# Altium PCB Brushed_PCB.PcbDoc (part 1 of 2) (continued)
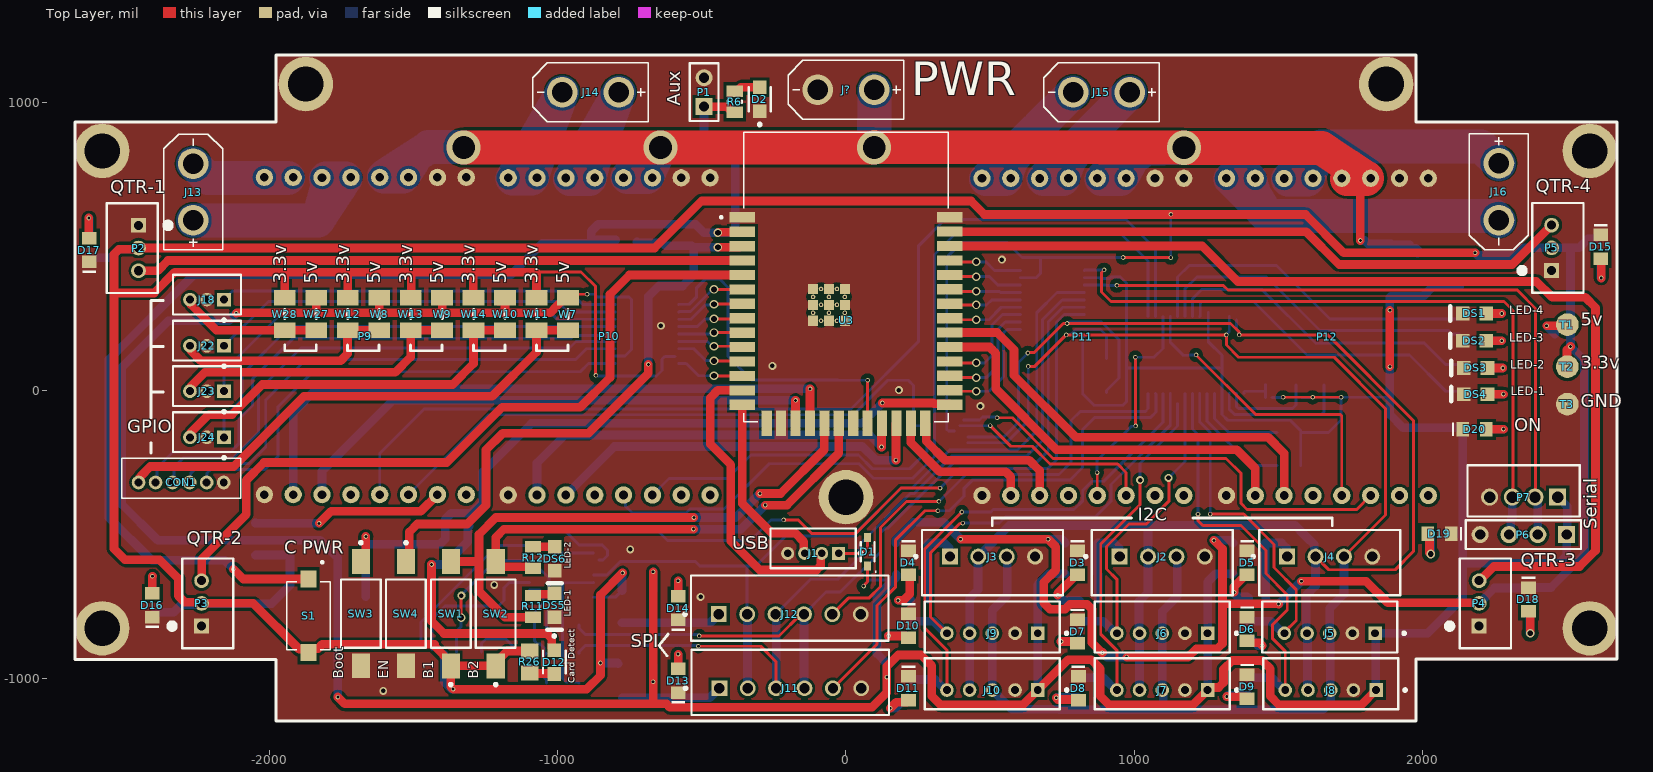
[diagram p0: Top Layer view]
## Footprints (in the part's own frame and the unit in brackets; to place one, negate y for a bottom-side part, rotate by r counter-clockwise, add the part's x,y. Pads: shape width x height; smd on the part's side, far side on the other; paste and mask are expansions set on the pad) (continued)
HDR1X2 [mm] "Connector; Header; 2 Position"
  rect 1.5x1.5 hole 0.9: 1(0,0)
  round 1.5 hole 0.9: 2(2.54,0)
  silkscreen extent -1.27,-1.27 3.81,1.27
HDR1X4 [mm] "Connector; Header; 4 Position"
  rect 1.5x1.5 hole 0.9: 1(0,0)
  round 1.5 hole 0.9: 2(2.54,0) 3(5.08,0) 4(7.62,0)
  silkscreen extent -1.27,-1.27 8.89,1.27
INF-SOD323_V [mm] "SOD, 2-Leads, Body 1.7x1.25 mm"
  rect 0.6x0.8 smd: 1(0,1.25) 2(0,-1.25)
  silkscreen extent -0.76,-0.85 0.6,1.83, body extent -0.63,-0.85 0.63,0.85, height 1.1
JST-B3B-PH-K-S-3_V [mm] "Connector, 3-Leads, Body 7.9x4.5mm, Pitch 2mm"
  rect 1.3x1.3 hole 0.8: 1(-2,0.55)
  round 1.3 hole 0.8: 2(0,0.55) 3(2,0.55)
  silkscreen extent -3.95,-2.25 3.95,3.4, body extent -3.95,-2.25 3.95,2.25, height 6
JST-B4B-PH-K-S_V [mm] "Connector, 4-Leads, Body 9.9x4.5mm, Pitch 2mm"
  rect 1.5x1.5 hole 1: 1(-3,0.55)
  round 1.5 hole 1: 2(-1,0.55) 3(1,0.55) 4(3,0.55)
  silkscreen extent -4.95,-2.25 4.95,2.25, body extent -4.95,-2.25 4.95,2.25, height 6
"JUMPER MID" [mm]
  rect 1.37x1.91 smd: 1(-1.421,0) 2(1.421,0)
  silkscreen extent -0.38,0 0.38,0
"JUMPER MINI" [mm]
  rect 0.38x0.4 smd: 1(-0.281,0) 2(0.281,0)
MOLX-473521001_V [mm] "SMD, 8-Leads, Body 15.2x14mm, Pitch 1.1mm"
  rect 0.8x1.5 smd: 1(1.94,-3.66) 2(0.84,-3.26) 3(-0.26,-3.66) 4(-1.36,-3.86) 5(-2.46,-3.66) 6(-3.56,-3.86) 7(-4.66,-3.66) 8(-5.76,-3.66)
  rect 1x0.95 smd: 9(-3.56,7.425)
  rect 1.3x1.4 smd: 10(-4.95,7.2) 11(0.75,7.2)
  rect 1.4x1.9 smd: 12(6.6,-6.95) 13(-6.55,-5.95)
  silkscreen extent -7,-7.6 7.77,7.6, body extent -7.05,-7.6 7.05,7.6, height 1.85
PCBComponent_1 [mm]
  rect 2.25x0.9 smd: 1(-9.125,5.25) 2(-9.125,3.98) 3(-9.125,2.71) 4(-9.125,1.44) 5(-9.125,0.17) 6(-9.125,-1.1) 7(-9.125,-2.37) 8(-9.125,-3.64) 9(-9.125,-4.91) 10(-9.125,-6.18) 11(-9.125,-7.45) 12(-9.125,-8.72) 13(-9.125,-9.99) 14(-9.125,-11.26) 27(9.15,-11.25) 28(9.15,-9.98) 29(9.15,-8.71) 30(9.15,-7.44) 31(9.15,-6.17) 32(9.15,-4.9) 33(9.15,-3.63) 34(9.15,-2.36) 35(9.15,-1.09) 36(9.15,0.18) 37(9.15,1.45) 38(9.15,2.72) 39(9.15,3.99) 40(9.15,5.26)
  rect 0.9x2.25 smd: 15(-6.985,-12.9) 16(-5.715,-12.9) 17(-4.445,-12.9) 18(-3.175,-12.9) 19(-1.905,-12.9) 20(-0.635,-12.9) 21(0.635,-12.9) 22(1.905,-12.9) 23(3.175,-12.9) 24(4.445,-12.9) 25(5.715,-12.9) 26(6.985,-12.9)
  rect 0.9x0.9 smd: 41(-2.9,-3.86) 41(-2.9,-2.46) 41(-2.9,-1.06) 41(-1.5,-3.86) 41(-1.5,-2.46) 41(-1.5,-1.06) 41(-0.1,-3.86) 41(-0.1,-2.46) 41(-0.1,-1.06)
  round 0.4 hole 0.2 mask+0: 41_10(-1.5,-1.76) 41_11(-2.9,-1.76) 41_12(-0.1,-1.76) 41_13(-2.9,-3.16) 41_14(-1.5,-3.16) 41_15(-0.1,-3.16) 41_16(-2.2,-1.06) 41_17(-0.8,-1.06) 41_18(-2.2,-2.46) 41_19(-0.8,-2.46) 41_20(-2.2,-3.86) 41_21(-0.8,-3.86)
  silkscreen extent -11.1,-12.75 9,12.75, body extent -9,-12.75 9,12.75, height 3.25
"POLOLU G2 HIGH-POWER MOTOR DRIVER 18V25" [mil]
  round 60 hole 30: 1(0,0) 2(0,-100) 3(0,-200) 4(0,-300) 5(0,-400) 6(0,-500) 7(0,-600) 8(0,-700) 9(1100,-100) 9(1100,0) 10(1099.21,-200) 10(1100,-300) 11(1100,-500) 11(1100,-400) 12(1100,-700) 12(1100,-600)
  body extent -51,-750 1249,50, height 477
RESC2013X50X30NL20T20 [mm] "Chip Resistor, 2-Leads, Body 2.00x1.25mm, IPC Medium Density"
  rect 1.05x1.45 smd: 1(-0.925,0) 2(0.925,0)
  silkscreen extent -0.1,-0.63 0.1,0.63, body extent -1.1,-0.72 1.1,0.72, height 0.5
RESC2013X70X40ML20T20 [mm] "Chip Resistor, 2-Leads, Body 2.00x1.25mm, IPC Low Density"
  rect 1.35x1.55 smd: 1(-0.975,0) 2(0.975,0)
  body extent -1.1,-0.72 1.1,0.72, height 0.7
SSOP-SS28_L [mm] "SOP, 28-Leads, Body 10.2x5.2mm, Pitch 0.65mm, IPC High Density"
  oval 1.8x0.45 smd: 1(-3.4,4.225) 2(-3.4,3.575) 3(-3.4,2.925) 4(-3.4,2.275) 5(-3.4,1.625) 6(-3.4,0.975) 7(-3.4,0.325) 8(-3.4,-0.325) 9(-3.4,-0.975) 10(-3.4,-1.625) 11(-3.4,-2.275) 12(-3.4,-2.925) 13(-3.4,-3.575) 14(-3.4,-4.225) 15(3.4,-4.225) 16(3.4,-3.575) 17(3.4,-2.925) 18(3.4,-2.275) 19(3.4,-1.625) 20(3.4,-0.975) 21(3.4,-0.325) 22(3.4,0.325) 23(3.4,0.975) 24(3.4,1.625) 25(3.4,2.275) 26(3.4,2.925) 27(3.4,3.575) 28(3.4,4.225)
  silkscreen extent -3.52,-5.25 2.1,5.25, body extent -2.8,-5.25 2.8,5.25, height 2
"SWITCH SMD" [mm]
  rect 1.5x1.4 smd: 1(-3.25,0) 2(3.25,0)
  silkscreen extent -4.82,-1.9 3,1.9
TECO-FSMSMTR_V [mm] "SMD, 2-Leads, Body 6x3.5mm, Pitch 9.19mm"
  rect 2.2x1.6 smd: 1(-4.595,0)
  rect 2.18x1.6 smd: 2(4.595,0)
  silkscreen extent -6.37,-1.75 3,1.75, body extent -4.98,-1.75 4.98,1.75, height 4.4
TESTPOINT [mm]
  round 2 smd: 1(0,0)
TI-DGS10_N [mm] "SOP, 10-Leads, Body 3x3mm, Pitch 0.5mm, IPC Medium Density"
  oval 1.7x0.3 smd: 1(-2.05,1) 2(-2.05,0.5) 3(-2.05,0) 4(-2.05,-0.5) 5(-2.05,-1) 6(2.05,-1) 7(2.05,-0.5) 8(2.05,0) 9(2.05,0.5) 10(2.05,1)
  silkscreen extent -2.17,-1.55 0.8,1.82, body extent -1.55,-1.55 1.55,1.55, height 1.1
WL-SMCW_0805_150080xx75000 [mm] "SMD Mono-color Chip LED, body 2.0x1.25mm"
  rect 1.1x1.3 smd: 1(-1.05,0) 2(1.05,0)
  silkscreen extent -2,-0.6 -1.8,0.6, body extent -1,-0.63 1,0.62, height 0.7
XT30UPB-M [mm]
  round 2.7 hole 1.8: P$1(-2.5,0) P$2(2.5,0)
  silkscreen extent -5.1,-2.6 5.1,2.6

## Part data
+ R13 R14 R15 R16 R17 R18 R19 R20 R21 R27 R28: library part CMP-05422-000125-1, "RES SMD 1K OHM 1% 1/2W 0805", Case Code (Imperial)=0805, Case Code (Metric)=2012, Max Operating Temperature=155Â°C, Max Power Dissipation=500mW, Min Operating Temperature=-55Â°C, Package Quantity=5000, Resistance=1kR, Resistance Tolerance=1%, Resistor Type="Thick Film", Temperature Coefficient=100ppm/Â°C, Voltage Rating=150V, Case/Package=0805, Construction=Rectangular, Contact Plating=Tin, Depth=1.25mm, Features="Automotive AEC-Q200", Height=0.6mm, Length=2mm, Military Standard=Not, Mount="Surface Mount", Number of Pins=2, Number of Terminations=2, Packaging="Tape and Reel", Power Rating=500mW, Radiation Hardening=No, REACH SVHC="No SVHC", RoHS Compliant=Yes, Series=ERJ, Technology="THICK FILM", Termination=Tab, Tolerance=1%, Voltage Rating (DC)=150V, Width=1.2mm
C1: library part CMP-14477-000079-3, "Multilayer Ceramic Capacitor 10uF 25V X5R 10% SMD 0805 T/R", Capacitance=10uF, Case Code (Imperial)=0805, Case Code (Metric)=2012, Dielectric=X7R, Max Operating Temperature=85Â°C, Min Operating Temperature=-55Â°C, Package Quantity=1, Resistor Type=Ceramic, Tolerance=10%, Voltage=16V, Voltage Rating=25V, Case/Package=0805, Height=1.25mm, Lead Free="Lead Free", Length=0.079inch, Mount="Surface Mount", Number of Pins=2, Packaging="Tape and Reel", REACH SVHC="No SVHC", RoHS Compliant=Yes, Series=M, Termination=SMD/SMT, Thickness=0.053inch, Voltage Rating (DC)=25V, Width=0.049inch
C2 C4 C5: library part CMP-2100-03644-1, "Chip Capacitor, 0.1 uF, +/- 10%, 50 V, -55 to 125 degC, 0805 (2012 Metric), RoHS, Tape and Reel", Capacitance=100nF, Case Code (Imperial)=0805, Case Code (Metric)=2012, Dielectric=X7R, Dielectric Material=Ceramic, Insulation Resistance=10GR, Manufacturer=Murata, Max Operating Temperature=125degC, Min Operating Temperature=-55degC, Package Description="2-Pin Surface Mount Device, Body 2 x 1.25 mm", Package Quantity=1, Tolerance=10%, Voltage=50V, Case/Package=0805, Datasheet URL=http://psearch.en.murata.com/capacitor/product/GRM21BR71H104KA01%23.pdf, Datasheet Version=42675.0, Depth=1.25mm, Height=1.25mm, Lead Free=LeadFree, Length=2mm, Manufacturer URL=http://www.murata.com/, Material=Ceramic, Mount=SurfaceMount, Number of Pins=2, Package Reference=0805, Packaging=TapeandReel, Radiation Hardening=No, REACH SVHC=Unknown, RoHSCompliant=true, Termination=SMD/SMT, Thickness=0.053inch, Voltage Rating=50V, Voltage Rating (DC)=50V, Width=0.049inch
C3: library part CMP-1036-04746-2, Manufacturer=Kemet, Part Number=C0805C105K4PACTU
C6 C7: library part CMP-06035-003841-1, "Chip Multilayer Ceramic Capacitors for General Purpose, 1206, 22uF, X7R, 15%, 10%, 10V", Capacitance=22uF, Case Code (Imperial)=1206, Case Code (Metric)=3216, Dielectric=X7R, Max Operating Temperature=125Â°C, Min Operating Temperature=-55Â°C, Package Quantity=1, Tolerance=10%, Voltage=10V, Case/Package=1206, Depth=1.6mm, Height=1.6mm, Lead Free="Lead Free", Length=3.2mm, Material=Ceramic, Mount="Surface Mount", Packaging="Tape and Reel", Radiation Hardening=No, REACH SVHC="No SVHC", Termination=SMD/SMT, Thickness=0.071inch, Voltage Rating=10V, Voltage Rating (DC)=10V, Width=0.063inch
CON1: "Connector Header Surface Mount 6 position 0.059 (1.50mm)", Package=None, Availability=Unavailable, Check_prices=https://www.snapeda.com/parts/B6B-ZR/JST/view-part/4701794/?ref=eda, MF=JST, MP=B6B-ZR, Price=None, SnapEDA_Link=https://www.snapeda.com/parts/B6B-ZR/JST/view-part/4701794/?ref=snap
D1: library part CMP-2000-05919-1, "Medium Power AF Schottky Diode, 0.41 V, 1 A, -65 to 125 degC, 2-Pin SOD323, RoHS, Tape and Reel", Manufacturer=Infineon, Max Processing Temp=260, Operating Temperature=-65to125C, Package Description="2-Pin Small Outline Diode Package, Body 1.25 x 1.7 mm", Package Reference=SOD323, Peak Average Forward Current=1A, Peak Reverse Repetitive Voltage=30V, Configuration=Single, Datasheet URL=http://www.infineon.com/dgdl/Infineon-BAS3010ASERIES-DS-v01_01-en.pdf?fileId=db3a30431ddc9372011dfbc50f231c06, Datasheet Version=04/2007, Lead Finish=Tin, Manufacturer URL=http://www.infineon.com/, Mounting=SurfaceMount, Mounting Technology=SurfaceMount, Package URL=http://www.infineon.com/dgdl/SOD323-Package_Overview.pdf?folderId=db3a30431936bc4b011952aab84f3bbe&fileId=db3a30431936bc4b011952beed653be3, Screening Level=Automotive, Type=SchottkyDiode
D2: library part CMP-44529-000064-1, "LED YELLOW CLEAR CHIP SMD", Case Code (Imperial)=0805, Case Code (Metric)=2012, Color=Yellow, Forward Current=20mA, Forward Voltage=2V, Illumination Color=Green, Lens Color=Clear, Max Operating Temperature=85Â°C, Min Operating Temperature=-40Â°C, Package Quantity=2000, Case/Package=0805, Dominant Wavelength=590nm, Height=0.4mm, Lead Free="Lead Free", Length=2mm, Lens Style=Clear, Luminous Intensity=150mcd, Mount="Surface Mount", Number of LEDs=1, Number of Pins=2, Packaging="Tape and Reel", RoHS Compliant=Yes, Series=APHCM, Test Current=20mA, Viewing Angle=110Â°, Wavelength=590nm, Width=1.25mm
D3 D4 D5 D6 D7 D8 D9 D10 D11 D13 D14 D15 D16 D17 D18 D19: library part CMP-1426-00008-6, Case Code (Imperial)=0805, Case Code (Metric)=2012, Color=Blue, Forward Current=100mA, Forward Voltage=3.2V, Max Junction Temperature (Tj)=95Â°C, Max Operating Temperature=85Â°C, Max Reverse Voltage (DC)=5V, Min Operating Temperature=-40Â°C, Power Dissipation=105mW, Test Current=20mA, Case/Package=0805, Dominant Wavelength=470nm, Height=700Âµm, Lead Free="Lead Free", Length=2mm, Lens Style="Clear, Rectangular", Luminous Intensity=145mcd, Mount="Surface Mount", NexarPartId=29717779, Packaging="Tape and Reel", Peak Wavelength=465nm, REACH SVHC=Unknown, Reverse Voltage=5V, RoHS=Compliant, Viewing Angle=140Â°, Wavelength=470nm, Width=1.25mm
D12: library part CMP-22017-000036-1, "LED ORANGE CLEAR SMD", Case Code (Imperial)=0805, Case Code (Metric)=2012, Color=Orange, Forward Current=30mA, Forward Voltage=2V, Lens Color=Colorless, Max Operating Temperature=85Â°C, Min Operating Temperature=-55Â°C, Package Quantity=1, Power Dissipation=75mW, Reverse Voltage=5V, Test Current=20mA, Case/Package=0805, Depth=1.6mm, Dominant Wavelength=605nm, Height=1.1mm, Illumination Color=Orange, Lead Free="Lead Free", Length=3.2mm, Lens Style=Diffused, Lens Transparency=Clear, Luminous Intensity=60mcd, Mount="Surface Mount", Number of Elements=1, Number of LEDs=1, Number of Pins=2, Packaging="Tape and Reel", Power Rating=75mW, Radiation Hardening=No, Viewing Angle=130Â°, Wavelength=611nm, Width=1.25mm
D20: library part CMP-1426-00010-3, Case Code (Imperial)=0805, Case Code (Metric)=2012, Color=Red, Forward Current=100mA, Forward Voltage=1.9V, Max Junction Temperature (Tj)=95Â°C, Max Operating Temperature=85Â°C, Max Reverse Voltage (DC)=5V, Min Operating Temperature=-40Â°C, Power Dissipation=72mW, Test Current=20mA, Case/Package=0805, Dominant Wavelength=630nm, Height=700Âµm, Length=2mm, Lens Style="Clear, Rectangular", Luminous Intensity=60mcd, Mount="Surface Mount", NexarPartId=29717782, Packaging="Tape and Reel", Peak Wavelength=645nm, REACH SVHC=Unknown, Reverse Voltage=5V, RoHS=Compliant, Viewing Angle=140Â°, Wavelength=630nm, Width=1.25mm
DS1 DS2 DS3 DS4 DS5 DS6: library part CMP-2000-05062-1, "Chip LED, Green, 2.2 V, -40 to 85 degC, 2-Pin SMD, Pb-Free, Tape and Reel", Forward Current If=20mA, Forward Voltage=2.2V, Forward Voltage VF Max=2.6V, LED Colour=Green, Manufacturer=Avago, Operating Temperature Max=85degC, Operating Temperature Min=-30degC, Operating Temperature Range=-30degCto+85degC, Opto Case Style=SMD, Package Description="2-Pin Surface Mount Device, Body 2 x 1.25 mm, Height 0.8 mm", Package Reference=HSMX-C170, Storage Temperature Min=-40degC, Bulb Size=1.25mmx1.4mm, Datasheet URL=https://datasheet.ciiva.com/29280/180495-da-01-en-chip-led-hsmg-c170-gelb-gruen-29280971.pdf, Datasheet Version=Oct-08, Dominant Wavelength=572nm, Dominant Wavelength Typ=572nm, External Depth=0.8mm, External Length / Height=2mm, External Width=1.25mm, Forward Current If Max=20mA, LED Mounting=SMD, LED Type=Standard, Lens Shape=Rectangular, Light Area Height=1mm, Luminous Intensity=15mcd, Luminous Intensity Min=4mcd, Luminous Intensity Typ=15mcd, Manufacturer URL=http://www.avagotech.com/, Mounting Type=SMD, MSL=MSL2A-4weeks, No. of Pins=2, Opto Mounting Orientation=Top, Packaging=CutTape, Peak Forward Current=20mA, Peak Wavelength=570nm, PIV Max=5V, Storage Temperature Max=85degC, SVHC=NoSVHC(16-Jun-2014), Viewing Angle=170deg, Voltage Vf Typ=2.2V, Wavelength Typ=570nm
J1: library part CMP-17439-000033-1, "CONN HEADER VERT 4POS 1.5MM", Color=Natural, Contact Resistance=30mR, Current Rating=1A, Flammability Rating="UL94 V-0", Housing Color=Beige, Insulation Resistance=500MR, Max Operating Temperature=85Â°C, Max Voltage Rating (AC)=50V, Min Operating Temperature=-25Â°C, Body Plating=Tin, Connector Type="Male Pin", Contact Material=Brass, Contact Mating Length=0.094inch, Contact Plating=Tin, Contact Type="Male Pin", Depth=3.5mm, Fastening Type=Detent, Gender=Male, Housing Material=Polyamide, Lead Free="Lead Free", Lead Pitch=1.5mm, Length=7.5mm, Material=Nylon, Max Current Rating=1A, Mount="Through Hole", Number of Contacts=4, Number of Positions=4, Number of Rows=1, Orientation=Straight, Packaging=Bulk, Panel Thickness=3.5mm, Pitch=1.5mm, REACH SVHC="No SVHC", Series=ZH, Termination=Solder, Voltage Rating=50V, Voltage Rating (AC)=50V, Voltage Rating (DC)=50V
J2 J3 J4: library part CMP-17439-000250-1, "CONN HEADER VERT 4POS 2.5MM", Color=Natural, Contact Resistance=20mR, Current Rating=3A, Flammability Rating="UL94 V-0", Housing Color=White, Insulation Resistance=1GR, Max Operating Temperature=85Â°C, Max Voltage Rating (AC)=250V, Min Operating Temperature=-25Â°C, Package Quantity=500, Connector Type=Header, Contact Finish - Mating=TIN, Contact Material=Brass, Contact Plating=Tin, Contact Shape=Square, Contact Type="Male Pin", Depth=5.75mm, Fastening Type=Detent, Gender=Male, Housing Material=Polyamide, Insulation Color=Natural, Insulation Material=Nylon, Lead Free="Lead Free", Lead Pitch=2.5mm, Length=12.4mm, Mated Stacking Heights=9.8mm, Material=Polyamide, Max Current Rating=3A, Max Voltage Rating (DC)=250V, Mount="Through Hole", Number of Contacts=4, Number of Positions=4, Number of Rows=1, Orientation=Straight, Packaging=Bulk, Pitch=2.5mm, REACH SVHC="No SVHC", Series=XH, Termination=Solder, Voltage Rating=250V, Voltage Rating (AC)=250V, Wire/Cable Gauge=22AWG
J5 J6 J7 J8 J9 J10: library part CMP-2000-05908-2, "CONN HEADER VERT 5POS 2MM", Color=Natural, Contact Resistance=20mR, Current Rating=2A, Flammability Rating="UL94 V-0", Housing Color=White, Insulation Resistance=1MR, Max Operating Temperature=85Â°C, Max Voltage Rating (AC)=100V, Min Operating Temperature=-25Â°C, Connector Type=Header, Contact Finish - Mating=TIN, Contact Material=Brass, Contact Mating Length=0.13inch, Contact Plating=Tin, Contact Shape=Square, Contact Type="Male Pin", Depth=4.5mm, Fastening Type=Detent, Gender=Male, Height=9.4mm, Housing Material=Polyamide, Insulation Color=Natural, Insulation Material=Nylon, Lead Free="Lead Free", Lead Pitch=2mm, Length=11.9mm, Mated Stacking Heights=8mm, Material=Polyamide, Max Current Rating=2A, Mount="Through Hole", Number of Contacts=5, Number of Pins=5, Number of Poles=5, Number of Positions=5, Number of Rows=1, Orientation=Straight, Packaging=Bulk, Pitch=2mm, REACH SVHC="No SVHC", Series=PH, Termination=Solder, Voltage Rating=100V, Voltage Rating (AC)=100V, Width=4.5mm, Working Voltage=100V
J11 J12: library part CMP-17439-000076-1, "CONN HEADER VERT 6POS 2.5MM"
J13 J14 J15 J16 J?: "Socket; DC supply; XT30; male; PIN: 2; on PCBs; THT; yellow; 15A; 500V", Package=None, Availability="Not in stock", Check_prices=https://www.snapeda.com/parts/XT30UPB-M/AMASS/view-part/?ref=eda, MF=amass, MP=XT30UPB-M, Price=None, SnapEDA_Link=https://www.snapeda.com/parts/XT30UPB-M/AMASS/view-part/?ref=snap
J18 J22 J23 J24: library part CMP-17439-000041-1, "CONN HEADER VERT 3POS 1.5MM", Color=Natural, Contact Resistance=30mR, Current Rating=1A, Flammability Rating="UL94 V-0", Housing Color=Beige, Insulation Resistance=500MR, Max Operating Temperature=85Â°C, Max Voltage Rating (AC)=50V, Min Operating Temperature=-25Â°C, Body Plating=Tin, Connector Type="Male Pin", Contact Material=Copper, Contact Mating Length=0.094inch, Contact Plating=Tin, Contact Type="Male Pin", Depth=3.5mm, Fastening Type=Detent, Gender=Male, Housing Material=Polyamide, Lead Free="Lead Free", Lead Pitch=1.5mm, Length=6mm, Material=Nylon, Max Current Rating=1A, Mount="Through Hole", Number of Contacts=3, Number of Positions=3, Number of Rows=1, Orientation=Straight, Packaging=Bulk, Panel Thickness=3.5mm, Pitch=1.5mm, REACH SVHC="No SVHC", Series=ZH, Termination=Solder, Voltage Rating=50V, Voltage Rating (AC)=50V, Voltage Rating (DC)=50V
P1: "Header, 2-Pin", LatestRevisionDate=17-Jul-2002, LatestRevisionNote="Re-released for DXP Platform.", Publisher="Altium Limited"
P2 P3 P4 P5: library part CMP-2000-05164-1, "Male Header, Pitch 2 mm, 1 x 3 Position, Height 6 mm, Tail Length 3.4 mm, -25 to 85 degC, RoHS, Bulk", Manufacturer=JST, Datasheet URL=https://datasheet.ciiva.com/11746/0900766b80826550-11746939.pdf, Datasheet Version=Oct-06, Manufacturer URL=http://www.jst.com/home2.html, No of Positions=3, Pitch=2mm, Style/Orientation=StraightHeader/Plug, Termination=Crimp, Type=ShroudedHeader
P6: "Header, 4-Pin", LatestRevisionDate=17-Jul-2002, LatestRevisionNote="Re-released for DXP Platform.", Publisher="Altium Limited"
P7: library part CMP-2000-05165-1, "Male Header, Pitch 2 mm, 1 x 4 Position, Height 6 mm, Tail Length 3.4 mm, -25 to 85 degC, RoHS, Bulk", Manufacturer=JST, Datasheet URL=http://datasheet.octopart.com/B4B-PH-K-S%28LF%29%28SN%29-JST-datasheet-10558886.pdf, Datasheet Version=Apr-09, Manufacturer URL=http://www.jst.com/home2.html, No of Positions=4, Pitch=2mm, Style/Orientation=StraightHeader/Plug, Termination=Crimp, Type=ShroudedHeader
R1 R2 R3 R4 R5 R34: library part CMP-2001-04908-2, "RES Thick Film, 10kÎ©, 1%, 0.125W, 100ppm/Â°C, 0805", Case Code (Imperial)=0805, Case Code (Metric)=2012, Max Operating Temperature=155Â°C, Min Operating Temperature=-55Â°C, Package Quantity=5000, Power Rating=125mW, Resistance=10kR, Temperature Coefficient=100ppm/Â°C, Tolerance=1%, Voltage Rating=150V, Case/Package=0805, Composition="Thick Film", Contact Plating=Tin, Depth=1.25mm, Height=0.45mm, Lead Free="Lead Free", Length=2mm, Military Standard=Not, Packaging="Tape and Reel", Radiation Hardening=No, Termination=SMD/SMT, Voltage Rating (DC)=150V, Weight=0.000194oz, Width=1.25mm
R6: library part CMP-2001-04066-1, Manufacturer="Vishay Dale", Part Number=CRCW0805680RFKEA
R7 R8 R9 R10 R11 R12: library part CMP-2001-03859-2, "RES Thick Film, 390Î©, 1%, 0.125W, 100ppm/Â°C, 0805", Case Code (Imperial)=0805, Case Code (Metric)=2012, Max Operating Temperature=155Â°C, Max Power Dissipation=125mW, Min Operating Temperature=-55Â°C, Package Quantity=10, Resistance=390R, Temperature Coefficient=100ppm/Â°C, Tolerance=1%, Voltage Rating=150V, Case/Package=0805, Composition="Thick Film", Contact Plating=Tin, Depth=1.25mm, Features="Automotive AEC-Q200", Height=0.45mm, Lead Free="Lead Free", Length=2mm, Military Standard=Not, Mount="Surface Mount", Number of Terminations=2, Packaging="Tape and Reel", Power Rating=125mW, Radiation Hardening=No, Termination=SMD/SMT, Voltage Rating (DC)=150V, Weight=0.000194oz, Width=0.049inch
R22 R23 R24 R25: library part RGC1206DTC10K0, Package=None, Availability=Unavailable, MP=RGC1206DTC10K0, Price=None
R26: library part CMP-2001-00566-1, Manufacturer=Panasonic, Part Number=ERJ6ENF6800V
R29 R30 R31 R32: library part CMP-2001-04437-2, Case Code (Imperial)=0805, Case Code (Metric)=2012, Max Operating Temperature=155Â°C, Max Power Dissipation=125mW, Min Operating Temperature=-55Â°C, Resistance=150Î©, Temperature Coefficient=100ppm/Â°C, Tolerance=1%, Voltage Rating=150V, Case/Package=0805, Composition="Thick Film", Contact Plating=Tin, Depth=1.25mm, Features="Automotive AEC-Q200", Height=600Âµm, Lead Free="Lead Free", Length=2mm, Lifecycle Status=Production, Military Standard=Not, Mount="Surface Mount", NexarPartId=55422415, Number of Pins=2, Number of Terminations=2, Packaging="Cut Tape (CT)", Power Rating=125mW, Radiation Hardening=No, REACH SVHC="No SVHC", RoHS=Compliant, Schedule B="8533210045, 8533210045", Termination=SMD/SMT, Voltage Rating (DC)=150V, Width=1.2446mm, Working Voltage=150V
S1: Package=None, Supplier Part Number 1=2223-TS10-63-26-BE-250-SMT-TRCT-ND, Availability=Unavailable, MP=TS10-63-26-BE-250-SMT-TR, Price=None, Supplier 1=Digikey
SD1: library part CMP-2000-05848-1, "MicroSD(TM), Pitch 1.1 mm, 8 Position, Height 1.88 mm, -20 to 85 degC, RoHS, Tape and Reel", Manufacturer=Molex, Package Description="MicroSD(TM), Pitch 1.1 mm, 8 Position, Height 1.88 mm", Datasheet URL=http://www.molex.com/pdm_docs/sd/473521001_sd.pdf, Datasheet Version="Rev. G, 01/2012", Manufacturer URL=http://www.molex.com/, Mounting Technology=SurfaceMount, Package Reference=473521001
SW1 SW2 SW3 SW4: library part CMP-2000-07501-1, "FSMSM Push Button Switch, 50 mA, -35 to 85 degC, 2-Pin SMD, RoHS, Tape and Reel", Case\/Package=SMD/SMT, Contact Current Rating=50mA, Contact Resistance=100mOhm, Manufacturer="TE Connectivity", Max Operating Temperature=85degC, Max Voltage Rating (DC)=12V, Min Operating Temperature=-35degC, Operating Force=180gf, Package Description="2-Pin Surface Mount Device, Body 6 x 3.5 mm, Pitch 9.19 mm", Package Quantity=1800, Voltage Rating (DC)=24V, Actuator Length=1.07mm, Actuator Material=Polyamide, Contact Material=Brass, Contact Plating=Silver, Current Rating=50mA, Datasheet URL=http://www.te.com/commerce/DocumentDelivery/DDEController?Action=showdoc&DocId=Customer+Drawing%7F1437566-3%7FC2%7Fpdf%7FEnglish%7FENG_CD_1437566-3_C2_1437566_3_1_c.dwg.pdf%7F1437566-4, Datasheet Version="Rev. C2, 08/2014", Electrical Life=20000Cycles, ELV=Compliant, Illumination Type=Illuminated, Lead Free=LeadFree, Manufacturer URL=http://www.te.com/, Mechanical Life=20000Cycles, Mount=SurfaceMount, Mounting Technology=SurfaceMount, Orientation=Straight, Package Reference=FSMSMTR, Packaging=TapeandReel, REACH SVHC=Unknown, RoHSCompliant=true, Switch Travel=0.25mm, Termination=GullWing, Throw Configuration=SPST
U1: library part CMP-0186-00176-2, "16-Bit I/O Expander with Serial Interface, 28-Pin SSOP, Extended Temperature", Code_JEDEC=MS-150, ComponentLink1Description="Manufacturer URL", ComponentLink1URL=http://www.microchip.com/, ComponentLink2Description=Datasheet, ComponentLink2URL=http://ww1.microchip.com/downloads/en/DeviceDoc/21952b.pdf, ComponentLink3Description="Package Specification", ComponentLink3URL=http://www.microchip.com/stellent/groups/techpub_sg/documents/packagingspec/en012702.pdf, DatasheetVersion="revB, Feb-2007", PackageDescription="28-Lead Plastic Shrink Small Outline (SS) - 5.3mm Body [SSOP]", PackageReference=SSOP-SS28, PackageVersion="revBB, Aug-2009", RevisionNote="URLs added."
U2: library part CMP-0003-00378-2, "16-Bit ADC with Integrated Multiplexer, PGA, Comparator, Oscillator, and Reference, -40 to 125 degC, 10-pin SOP (DGS10), Green (RoHS & no Sb/Br)", Analog Voltage AV/DD(Max)(V)=5.5, Analog Voltage AV/DD(Min)(V)=2, Manufacturer="Texas Instruments", # Input Channels=4, Architecture=Delta-Sigma, Code_JEDEC=MO-153, ComponentLink1Description="Manufacturer URL", ComponentLink1URL=http://www.ti.com/, ComponentLink2Description=Datasheet, ComponentLink2URL=http://www.ti.com/general/docs/lit/getliterature.tsp?genericPartNumber=ADS1115&fileType=pdf, ComponentLink3Description="Package Specification", ComponentLink3URL=http://www.ti.com/lit/ml/mpds035b/mpds035b.pdf, DatasheetVersion=SBAS444B, Digital Supply(Max)(V)=5.5, Digital Supply(Min)(V)=2, Eco-Plan="Green (RoHS & no Sb/Br)", INL(Max)(+/-LSB)=1, Interface="Serial I2C", Mounting Technology="Surface Mount", PackageDescription="10-Pin Plastic Small Outline, Body 3 x 3 mm, Pitch 0.5 mm", PackageReference=DGS10, PackageVersion="4073272/C, 02/2004", PartNumber=ADS1115IDGST, Resolution(Bits)=16, Sample Rate (max)(SPS)=860, SubFamily="Precision ADC (<=10MSPS)"
U3: library part ESP32-S3-WROOM-1, "SMD MODULE, ESP32-S3R8 WITH 8 MB", Package="NON STANDARD Espressif Systems", Check_prices=https://www.snapeda.com/parts/ESP32-S3-WROOM-1/Espressif+Systems/view-part/?ref=eda, MF="Espressif Systems", MP=ESP32-S3-WROOM-1, SnapEDA_Link=https://www.snapeda.com/parts/ESP32-S3-WROOM-1/Espressif+Systems/view-part/?ref=snap, Supplier 1=Digikey
U4 U5: library part CMP-04899-000001-1, "IC TRNSLTR BIDIRECTIONAL 20TSSOP", Ambient Temperature Range High=+125Â°C, Ambient Temperature Range Low=-40Â°C, Manufacturer="Texas Instruments", Max Junction Temp=+150Â°C, Max Supply Voltage=5.5V, Min Supply Voltage=1.4V, Nominal Supply Current=8uA, Package=PW0020A, Temperature="-40Â°C to +125Â°C", Automotive=Yes, Automotive Grade="Grade 1", Category=IC, ComponentLink2Description=Datasheet, ComponentLink2URL=http://www.ti.com/lit/ds/symlink/txs0108e-q1.pdf, Data Rate=110Mbits/s, Device Class L1="Integrated Circuits (ICs)", Device Class L2="Logic ICs", Device Class L3="Voltage Level Shifters", Digikey Description="IC TRNSLTR BIDIRECTIONAL 20TSSOP", Height=1.2mm, Ipc Land Pattern Name=SOP65P640X120-20, Lead Free=Yes, Logic Function Desc=Non-inverting, Manufacturer Part Number=TXS0108EQPWRQ1, Mouser Description="Translation - Voltage Levels 8B Bidir Vltg-Level Translator ALT 595-TXS0108EPWR", Number Of Circuits=1, Number Of Inputs=8, Number Of Outputs=8, Octopart=https://octopart.com/txs0108eqpwrq1-texas+instruments-59160487, RoHS=TRUE, Standoff Height=0.05mm, Temperature Range High=+125Â°C, Temperature Range Low=-40Â°C, V A Max=3.6V, V A Min=1.4V, V B Max=5.5V, V B Min=1.65V
U6: library part CMP-0440-00179-4, "IC BUF NON-INVERT 3.6V 14TSSOP", Case/Package=TSSOP, High Level Output Current=-24mA, Low Level Output Current=24mA, Max Operating Temperature=125Â°C, Max Power Dissipation=500mW, Max Supply Voltage=3.6V, Min Operating Temperature=-40Â°C, Min Supply Voltage=1.65V, Package Quantity=1, Quiescent Current=1uA, Contact Plating=Gold, Height=1.15mm, Lead Free="Lead Free", Length=5mm, Logic Function=Buffer, Mount="Surface Mount", Number of Bits=4, Number of Bits per Element=1, Number of Channels=4, Number Of Circuits=4, Number of Elements=4, Number of Gates=4, Number of Input Lines=4, Number Of Inputs=4, Number of Output Lines=3, Number Of Outputs=4, Number of Pins=14, Packaging="Tape and Reel", Polarity=Non-Inverting, Propagation Delay=4.6ns, Radiation Hardening=No, REACH SVHC="No SVHC", Termination=SMD/SMT, Turn-On Delay Time=5.3ns, Width=4.4mm
U7: library part CMP-04917-000007-1, "IC REG LINEAR 5V 1.5A SOT223-4", Dropout Voltage=2V, Manufacturer="Texas Instruments", Max Junction Temp=+150Â°C, Max Supply Voltage=30V, Min Supply Voltage=7.5V, Nominal Supply Current=8mA, Output Current=1.5A, Output Voltage=5V, Package=DCY0004A, Temperature="0Â°C to +125Â°C", Temperature Range High=+125Â°C, Temperature Range Low=0Â°C, Accuracy Percentage=3%, Automotive=No, Category=IC, ComponentLink2Description=Datasheet, ComponentLink2URL=http://www.ti.com/lit/ds/symlink/lm7800.pdf, Device Class L1="Integrated Circuits (ICs)", Device Class L2="Power Management ICs", Device Class L3="Voltage Regulators - Linear", Digikey Description="IC REG LINEAR 5V 1.5A SOT223-4", Height=1.8mm, Lead Free=Yes, Manufacturer Part Number=LM7805MP/NOPB, Number Of Outputs=1, Octopart=https://octopart.com/lm7805mp%2Fnopb-texas+instruments-74629991, Output Type=Fixed, RoHS=TRUE, Standoff Height=0.02mm

## Free pads (board coordinates)
  round 188.98 hole 122.05: O(-2579,-824.49) O(-2579,830.51) O(-1873,1062.51) O(0,-370.08) O(1873,1062.51) O(2579,-824.49) O(2579,830.51)

## Via types
v1: diameter 15.75, hole 10, Top Layer to Bottom Layer, 88 vias
v2: diameter 29.53, hole 19.68, Top Layer to Bottom Layer, 20 vias
v3: diameter 27.56, hole 15.75, Top Layer to Bottom Layer, 12 vias
v4: diameter 118.11, hole 78.74, Top Layer to Bottom Layer, 4 vias

## Nets (pads, with @x,y where several pads share a name; then routed paths per layer and width w, separated by ;. In a path a pad name is that pad's centre, name@x,y a point inside that pad or via, vN(x,y) a via of type N, cw(c..) or ccw(c..) an arc to the next point about the centre after c; other vN are vias at no path point)
3.3V: P2.2 P3.2 P4.2 P5.2 R26.2 R29.2 R30.2 R31.2 R32.2 S1.2 SD1.4 SW1.1 SW2.1 T2.1 U2.8 U4.19 U5.19 U6.14 W11.2 W12.2 W13.2 W14.2 W15.2 W16.2 W17.2 W23.2 W24.2 W25.2 W26.2 W28.2 | length 19589.9
  Top Layer w10: -1075.2,410.39 -918.27,410.39 -867.95,360.08 -867.95,52.99 v1(-867.14,52.18) ; v1(960.63,461.1) 960.87,460.87 1125.75,460.87 v1(1125.98,460.63)
  Top Layer w30: W28.2@-1945.98,320.98 -1945.98,409.2 -1947.18,410.39 ; S1.2@-1863.4,-908.97 -1874.73,-897.64 -1895.3,-897.64 -2054.75,-738.19 P3.2@-2234.25,-738.19 -2238.3,-734.14 -2292.74,-734.14 -2305.11,-721.77 -2314.96,-711.92 -2314.96,-651.75 -2380.1,-586.61 -2500,-586.61 -2537.93,-548.68 -2537.93,338.22 ; S1.2@-1863.4,-907.24 -1850.84,-894.68 -1830.17,-894.68 -1815.8,-880.31 -1426.82,-880.31 -1426.82,-886.21 -1370.08,-942.96 SW1.1@-1370.08,-954.77 ; W12.2@-1727.76,320.98 -1727.76,409.37 -1728.79,410.39 ; W13.2@-1509.55,320.98 -1507.41,323.12 -1507.41,409.92 -1506.94,410.39 ; W14.2@-1291.33,320.98 -1292.67,322.33 -1292.67,408.74 -1294.33,410.39 ; R26.2@-1096.73,-902.99 -1174.61,-902.99 -1214.57,-942.96 SW2.1@-1214.57,-954.77 SW1.1@-1370.08,-954.77 ; W11.2@-1073.11,320.98 -1073.11,408.31 -1075.2,410.39 -1294.33,410.39 ; v1(-774.79,-632.27) -851.38,-708.86 -851.38,-987.92 -899.37,-1035.92 -1361.72,-1035.92 -1370.08,-1027.56 SW1.1@-1370.08,-954.77 ; v1(397.64,-515.75) v1(700.79,-515.75) 727.07,-542.03 727.07,-623.32 685.04,-665.35 685.04,-736.22 707,-758.18 759.53,-758.18 776.54,-741.17 835.51,-741.17 853.09,-758.75 853.09,-874.79 887,-908.7 v1(889.13,-908.7) ; v1(973.09,-924.45) 1185.85,-924.45 1214.35,-895.95 1286.59,-895.95 1305.55,-876.99 1305.55,-739.86 ; v1(1275.59,-519.68) 1305.24,-549.33 1305.24,-720.51 1305.55,-720.83 1305.55,-739.86 ; v1(1500.01,-740.16) 1499.71,-739.86 1305.55,-739.86 ; v1(1578.74,-661.42) 1803.15,-661.42 1877.95,-736.22 2193.16,-736.22 P4.2@2195.12,-738.19 ; v1(2181.1,477.36) 2180.75,477.01 1726.21,477.01 1592.99,610.24 v1(1126.15,610.24) 480.32,610.24 433.74,656.81 -500.67,656.81 -663.75,493.73 P2.2@-2452.9,493.73 -2456.96,489.68 -2520.36,489.68 -2537.93,472.1 -2537.93,338.22 ; T2.1@2500.8,82.53 2500,83.33 2500,140.5 v1(2511.81,152.31) ; -2537.93,338.22 -2399.33,338.22 -2327.15,410.39 -1947.18,410.39 ; -1947.18,410.39 -1728.79,410.39 ; -1728.79,410.39 -1506.94,410.39 ; -1506.94,410.39 -1294.33,410.39
  Bottom Layer w10: U6.14@-874.99,-716.77 -827.4,-716.77 -826.03,-715.41 -798.38,-715.41 W24.2@-776.42,-693.44 ; v1@-861.1,50.21 -657.05,50.21 -638.36,68.9 -638.36,107.97 -628.14,118.19 U5.19@-593.43,118.19 ; U2.8@375.98,-140.83 355.35,-140.83 349.33,-134.81 349.33,-94.58 349.49,-94.43 349.49,461.87 400.41,512.8 558.07,512.8 609.76,461.1 674.18,461.1 ; U4.19@605.5,390.89 658.61,390.89 674.18,406.46 674.18,461.1 ; v1(960.63,461.1) 831.66,461.1 674.18,461.1 ; v1(1125.98,460.63) 1126.07,460.71 1126.07,610.15 v1(1126.15,610.24)
  Bottom Layer w30: R31.2@-2623.61,448.48 -2611.94,460.15 -2549.83,460.15 -2520.31,489.68 -2456.96,489.68 P2.2@-2452.9,493.73 ; R30.2@-2404.96,-780.51 -2393.56,-769.11 -2331.18,-769.11 -2304.31,-742.24 -2238.3,-742.24 P3.2@-2234.25,-738.19 -2233.2,-739.24 -1991.53,-739.24 -1927.62,-675.32 W25.2@-1927.62,-570.14 -1928.15,-570.67 -2046.71,-570.67 W26.2@-2047.24,-571.2 ; SD1.4@-1393.31,-914.02 -1393.31,-1009.82 -1367.7,-1035.43 v1(-1362.2,-1035.43) ; v1(-851.38,-944.88) -791.53,-944.88 W23.2@-789.54,-946.87 ; W24.2@-776.42,-693.44 -776.42,-633.9 v1(-774.79,-632.27) ; W16.2@172.4,-528.78 172.4,-518.15 233.86,-456.69 338.58,-456.69 v1(397.64,-515.75) ; v1(700.79,-515.75) 748.19,-515.75 760.16,-527.72 W15.2@760.16,-528.78 ; v1(889.13,-908.7) 904.87,-924.45 v1(973.09,-924.45) ; v1(1275.59,-519.68) 1332.6,-519.68 W17.2@1341.69,-528.78 ; v1(1500.01,-740.16) v1(1578.74,-661.42) ; v1(2181.1,477.36) 2190.51,467.95 2322.28,467.95 2348.8,494.47 P5.2@2446.37,494.47 2515.1,494.47 ; P4.2@2195.12,-738.19 2248.3,-685.01 2369.94,-685.01 R32.2@2370.67,-685.74 2373.42,-682.99 2444.45,-682.99 2560.47,-566.97 2560.47,103.65 v1(2511.81,152.31) 2511.81,491.18 2515.1,494.47 ; R29.2@2617.08,536.8 2605.41,525.12 2572.83,525.12 2542.18,494.47 2515.1,494.47
4: P2.3 U3.4 | length 2108.3
  Top Layer w30: P2.3@-2452.9,414.99 -2385.98,414.99 -2350.57,450.39 U3.4@-359.25,450.39
5: P3.3 U3.5 | length 2595.6
  Top Layer w30: P3.3@-2234.25,-659.45 -2234.25,-584.65 -2079.29,-429.68 -2079.29,-311.57 -2017.68,-249.96 -1383.82,-249.96 -1192.28,-58.43 -921.61,-58.43 -818.44,44.75 -818.44,332.58 -750.63,400.39 U3.5@-359.25,400.39
6: U3.6 U5.13 | length 252.7
  Top Layer w10: v2(-457.68,350.39) U3.6@-359.25,350.39
  Bottom Layer w10: U5.13@-579.72,272.64 -578.82,273.54 -539.19,273.54 -462.34,350.39 v2(-457.68,350.39)
7: U3.7 U5.14 | length 242.6
  Top Layer w10: v2(-457.68,299.21) -360.43,299.21 U3.7@-359.25,300.39
  Bottom Layer w10: U5.14@-579.72,247.05 -537.4,247.05 -487.44,297.01 -459.88,297.01 v2(-457.68,299.21)
8: U3.8 U5.15 | length 232.5
  Top Layer w10: v2(-457.68,248.03) -361.61,248.03 U3.8@-359.25,250.39
  Bottom Layer w10: U5.15@-579.72,221.46 -515.75,221.46 -489.17,248.03 v2(-457.68,248.03)
9: U3.9 U5.16 | length 222.7
  Top Layer w10: v2(-457.68,200.79) -359.65,200.79 U3.9@-359.25,200.39
  Bottom Layer w10: U5.16@-579.72,195.87 -467.88,195.87 -462.96,200.79 v2(-457.68,200.79)
10: U3.10 U5.17 | length 228.7
  Top Layer w10: v2(-457.68,153.54) -362.4,153.54 U3.10@-359.25,150.39
  Bottom Layer w10: U5.17@-579.72,170.28 -479.69,170.28 -462.96,153.54 v2(-457.68,153.54)
11: U3.11 U5.18 | length 238.8
  Top Layer w10: v2(-457.68,102.36) -361.22,102.36 U3.11@-359.25,100.39
  Bottom Layer w10: U5.18@-579.72,144.69 -527.56,144.69 -487.44,104.57 -459.88,104.57 v2(-457.68,102.36)
12: U3.12 U5.20 | length 238
  Top Layer w10: v2@-457.68,50.39 U3.12@-359.25,50.39
  Bottom Layer w10: U5.20@-579.72,93.5 -554.13,93.5 -511.81,51.18 v2(-457.68,51.18)
13: J1.2 U3.13 | length 1051.1
  Top Layer w30: U3.13@-359.25,0.39 -444.25,0.39 -470.35,-25.71 -470.35,-185.89 -399.25,-256.98 -399.25,-522.01 -299.06,-622.2 -101.89,-622.2 -87.24,-607.55 -87.24,-567.8 J1.2@-84.31,-564.88
14: J1.3 U3.14 | length 652.2
  Top Layer w30: U3.14@-359.25,-49.61 -359.25,-392.72 -257.43,-494.54 -176.31,-494.54 -146.29,-524.56 -146.29,-561.96 J1.3@-143.37,-564.88
17: P9.3 U3.17 | length 1904.8
  Top Layer w30: U3.17@-175,-114.17 -175,-34.24 v1(-174.85,-34.09)
  Bottom Layer w30: P9.3@-1816.61,-361.16 -1816.61,-280.19 -1570.51,-34.09 v1(-174.85,-34.09)
18: P9.2 U3.18 | length 2232.3
  Top Layer w30: U3.18@-125,-114.17 -125,4.92 v1(-124.2,5.72)
  Bottom Layer w30: P9.2@-1916.61,-361.16 -1916.61,-75.07 -1835.63,5.91 -158.28,5.91 -158.09,5.72 v1(-124.2,5.72)
19: R11.2 SW1.2 U3.19 | length 1932.7
  Top Layer w30: SW1.2@-1370.08,-592.96 -1281.02,-592.96 -1272.44,-601.54 ; R11.2@-1085.48,-785.71 -1182.84,-785.71 -1272.44,-696.11 -1272.44,-601.54 ; v1(-527.56,-440.64) -1214.02,-440.64 -1272.44,-499.06 -1272.44,-601.54 ; v1(-298.58,-357.36) -226.87,-357.36 -75,-205.48 U3.19@-75,-114.17
  Bottom Layer w30: v1(-527.56,-440.64) -381.87,-440.64 v1(-298.58,-357.36)
20: R12.2 SW2.2 U3.20 | length 1643.9
  Top Layer w30: R12.2@-1084.58,-616.56 -1089.39,-611.75 -1207.19,-611.75 -1214.57,-604.37 -1214.57,-509.7 -1185.51,-480.64 v1(-528.83,-480.64) ; v1(-279.81,-397.36) -204.44,-397.36 -25,-217.91 U3.20@-25,-114.17
  Bottom Layer w30: v1(-528.83,-480.64) -363.09,-480.64 v1(-279.81,-397.36)
21: U3.21
22: U3.22 U5.12 | length 1144.7
  Top Layer w10: v1(74.8,35.43) 74.8,-113.98 U3.22@75,-114.17
  Bottom Layer w10: U5.12@-579.72,298.23 -578.82,299.13 -543.39,299.13 -517.72,324.8 -517.72,356.29 -488.19,385.83 -437.01,385.83 -408.66,357.48 -408.66,117.52 -327.05,35.91 -28.03,35.91 -27.53,35.4 v1@72.15,35.4 ; v1@72.18,35.43 v1(74.8,35.43)
23: P10.2 U3.23 | length 1445.6
  Top Layer w30: v1(123.03,-195.87) 123.03,-116.14 U3.23@125,-114.17
  Bottom Layer w30: P10.2@-1071.18,-362.65 -1071.18,-251.3 -973.98,-154.09 81.26,-154.09 v1(123.03,-195.87)
24: P10.3 U3.24 | length 1361.7
  Top Layer w30: v1(173.23,-241.34) 173.23,-115.94 U3.24@175,-114.17
  Bottom Layer w30: P10.3@-971.18,-362.65 -802.63,-194.09 56.62,-194.09 103.87,-241.34 v1(173.23,-241.34)
25: P11.2 U3.25 | length 527.3
  Top Layer w30: U3.25@225,-114.17 225,-181.12 325.38,-281.5 553.72,-281.5 571.29,-299.07 P11.2@571.29,-364.22
26: P11.3 U3.26 | length 584.9
  Top Layer w30: U3.26@275,-114.17 277.72,-116.89 277.72,-175.35 343.86,-241.5 635.2,-241.5 671.29,-277.59 P11.3@671.29,-364.22
27: C4.2 SW3.1 U3.27 | length 2615.8
  Top Layer w30: SW3.1@-1682.09,-592.72 -1665.59,-576.22 -1665.59,-507.32 v1(-1664.56,-506.29) ; v1(125.98,-43.31) 301.5,-43.31 304.69,-46.5 357.52,-46.5 U3.27@360.24,-49.21
  Bottom Layer w30: C4.2@-1664.56,-715.6 v1(-1664.56,-506.29) ; -1646.98,-532.77 -1407.34,-532.77 -1389.76,-515.2 -1389.76,-446.71 -1369.08,-426.03 -1299.46,-426.03 -1258.62,-385.18 -1258.62,-282.24 -1090.47,-114.09 55.2,-114.09 v1(125.98,-43.31)
28: U3.28 U4.12 | length 423.7
  Top Layer w10: U3.28@360.24,0.79 399.53,-2.81 v2(451.96,-2.81)
  Bottom Layer w10: v2(451.96,-2.81) 496.27,-2.81 546.45,47.37 546.45,199.95 558.26,211.76 U4.12@605.5,211.76
29: U3.29 U4.13 | length 400
  Top Layer w10: U3.29@360.24,50.79 399.53,44.44 v2(451.96,44.44)
  Bottom Layer w10: v2(451.96,44.44) 486.27,44.44 526.45,84.61 526.45,211.45 552.35,237.35 U4.13@605.5,237.35
30: U3.30 U4.14 | length 376.5
  Top Layer w10: U3.30@360.24,100.79 399.53,95.62 v2(451.96,95.62)
  Bottom Layer w10: v2(451.96,95.62) 480.3,95.62 506.45,121.76 506.45,226.88 542.51,262.94 U4.14@605.5,262.94
31: P12.2 U3.31 | length 1400
  Top Layer w30: U3.31@360.24,150.79 497.47,150.79 506.43,141.82 519.06,129.2 519.06,5.65 730.06,-205.35 1354.96,-205.35 1418.93,-269.33 P12.2@1418.93,-364.22
32: P12.3 U3.32 | length 1530.9
  Top Layer w30: U3.32@360.24,200.79 523.62,200.79 582.68,141.73 582.68,52.23 797.36,-162.45 1463.59,-162.45 1518.93,-217.8 P12.3@1518.93,-364.22
33: U3.33 U4.15 | length 263.7
  Top Layer w10: U3.33@360.24,250.79 399.53,245.23 399.53,245.31 v2(451.96,245.31)
  Bottom Layer w10: v2(451.96,245.31) 452.05,245.23 495.27,245.23 538.57,288.53 U4.15@605.5,288.53
34: U3.34 U4.16 | length 252.8
  Top Layer w10: U3.34@360.24,300.79 399.53,296.41 v2(451.96,296.41)
  Bottom Layer w10: v2(451.96,296.41) 487.39,296.41 505.11,314.12 U4.16@605.5,314.12
35: U3.35 U4.17 | length 247.5
  Top Layer w10: U3.35@360.24,350.79 399.53,343.65 v2(451.96,343.65)
  Bottom Layer w10: v2(451.96,343.65) 532.67,343.65 536.6,339.71 U4.17@605.5,339.71
38: P4.3 U3.38 | length 3615.6
  Top Layer w30: U3.38@360.24,500.79 1235.43,500.79 1358.27,377.95 2393.38,377.95 2448.5,322.83 2562.99,322.83 2598.43,287.4 2598.43,-555.12 2543.31,-610.24 2245.74,-610.24 2196.53,-659.45 P4.3@2195.12,-659.45